# Altium PCB MJVESC_MINI4.PcbDoc (part 1 of 2) (continued)
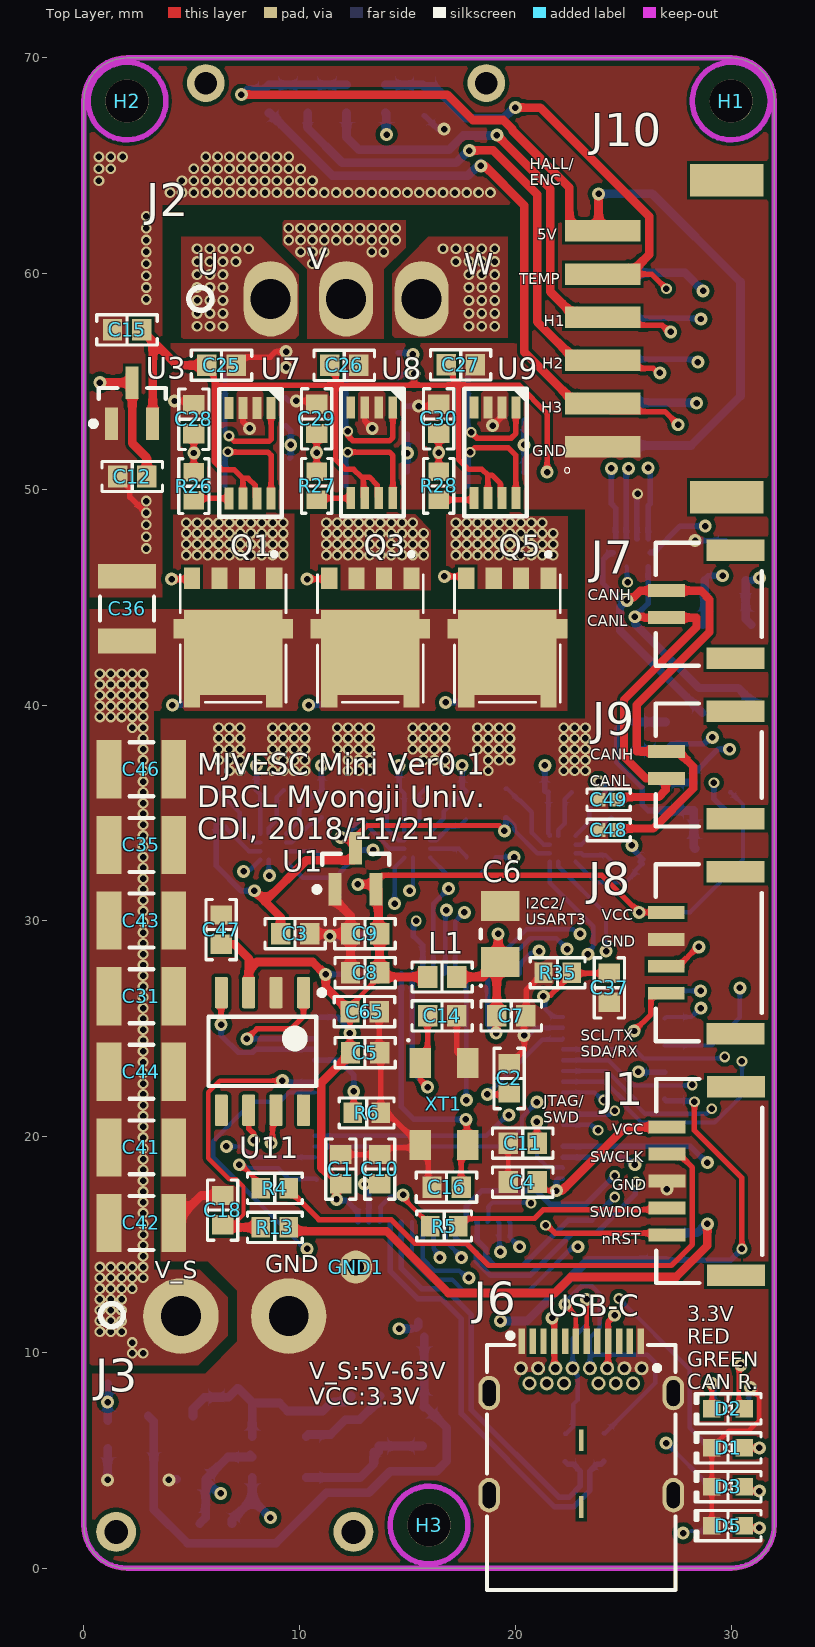
[diagram p0: Top Layer view]
## Footprints (in the part's own frame and the unit in brackets; to place one, negate y for a bottom-side part, rotate by r counter-clockwise, add the part's x,y. Pads: shape width x height; smd on the part's side, far side on the other; paste and mask are expansions set on the pad)
74438335220 [mm] "3015 size"
  rect 1.2x3.4 smd: 1(-1.1,0) 2(1.1,0)
  silkscreen extent -0.4,-1.8 0.4,1.8, body extent -1.5,-1.5 1.5,1.5, height 1.5
632723300011 [mm]
  rect 0.3x1.2 smd: A1(-2.75,5.635) A2(-2.25,5.635) A3(-1.75,5.635) A4(-1.25,5.635) A5(-0.75,5.635) A6(-0.25,5.635) A7(0.25,5.635) A8(0.75,5.635) A9(1.25,5.635) A10(1.75,5.635) A11(2.25,5.635) A12(2.75,5.635)
  round 0.65 hole 0.4: B1(2.8,4.385) B2(2.4,3.685) B3(1.6,3.685) B4(1.2,4.385) B5(0.8,3.685) B6(0.4,4.385) B7(-0.4,4.385) B8(-0.8,3.685) B9(-1.2,4.385) B10(-1.6,3.685) B11(-2.4,3.685) B12(-2.8,4.385) Shell(-2,4.385) Shell(2,4.385)
  oval 1x1.6 hole 0.6 slot 1.2 at 90 deg: Shell(-4.27,-1.495) Shell(-4.27,3.235) Shell(4.27,-1.495) Shell(4.27,3.235)
  rect 0.2x1 smd: ""(0,-2.045) ""(0,1.055)
  silkscreen extent -4.37,-5.89 4.37,6.01, body extent -4.37,-5.9 4.37,5.9, height 3.05
BGA12C40P4X4_173X188X68-LMG1205 [mm] "BGA, 12-Leads, Body 1,73x1,88mmx0,68mm, Pitch 0,40mm"
  round 0.24 smd: A1(-0.6,0.6) A2(-0.2,0.6) A3(0.2,0.6) A4(0.6,0.6) B1(-0.6,0.2) B4(0.6,0.2) C1(-0.6,-0.2) C4(0.6,-0.2) D1(-0.6,-0.6) D2(-0.2,-0.6) D3(0.2,-0.6) D4(0.6,-0.6)
  silkscreen extent -1.5,-1.1 1,1.5, body extent -0.86,-0.94 0.86,0.94, height 0.65
"CAP 0402/1005" [mm]
  rect 0.6x0.64 smd: 1(-0.44,0) 2(0.44,0)
  silkscreen extent -1,-0.5 1,0.5, body extent -0.5,-0.26 0.5,0.26, height 0.52
"CAP 0603/1608" [mm]
  rect 0.9x1 smd: 1(-0.675,0) 2(0.675,0)
  silkscreen extent -1.4,-0.7 1.4,0.7, body extent -0.8,-0.41 0.8,0.41, height 0.82
CAPC1206(3216)190_M [mm]
  rect 1.35x1.9 smd: 1(-1.6,0) 2(1.6,0)
  silkscreen extent -0.55,-0.85 0.55,0.85, body extent -1.7,-0.9 1.7,0.9, height 1.9
CAPC1210(3225)280_N [mm] "Chip Capacitor, Body 3.2x2.5mm, Height 2.8mm, IPC Medium Density"
  rect 1.15x2.7 smd: 1(-1.5,0) 2(1.5,0)
  silkscreen extent -0.55,-1.25 0.55,1.25, body extent -1.7,-1.4 1.7,1.4, height 2.8
CAPMP3217X18-T_V [mm] "Molded Capacitor, 2-Leads, Body 3.40x1.8mm"
  rect 1.4x1.8 smd: 1(-1.3,0) 2(1.3,0)
  silkscreen extent -2.45,-0.9 0.2,0.95, body extent -1.92,-0.9 1.92,0.9, height 1.8
CSS2H-2512K-2L00F [mm] "2mOhm"
  rect 1.8x1.25 smd: 1(-2.6,-1.05) 1(-2.6,1.05) 2(2.6,-1.05) 2(2.6,1.05)
  rect 1.8x0.35 smd: 3(-2.6,0) 4(2.6,0)
  body extent -3.56,-1.55 3.17,1.5, height 1.06
D0008A_N [mm]
  rrect17% 1.45x0.6 smd: 1(-2.725,1.905) 2(-2.725,0.635) 3(-2.725,-0.635) 4(-2.725,-1.905) 5(2.725,-1.905) 6(2.725,-0.635) 7(2.725,0.635) 8(2.725,1.905)
  silkscreen extent -2.85,-2.5 1.6,2.88, body extent -3,-2.45 3,2.45, height 1.63
DFN220P320X110-4N [mm]
  rect 1.4x1 smd: 1(-1.9,-1.1) 3(1.9,1.1) G(-1.9,1.1) G(1.9,-1.1)
  silkscreen extent -3,-1.7 -2.9,-1.6, body extent -2.55,-1.65 2.55,1.65, height 1.1
DFN500X600X110-5N [mm]
  rect 0.75x1 smd: 1(-1.905,-2.795) 2(-0.635,-2.795) 3(0.635,-2.795) 4(1.905,-2.795)
  rect 4.56x3.955 smd: 5_6(0,0.647)
  rect 0.495x0.905 smd: 5_6_1(-2.528,-0.453) 5_6_2(2.528,-0.453)
  rect 0.75x0.575 smd: 5_6_3(1.905,2.913) 5_6_4(-1.905,2.913)
  silkscreen extent -2.45,-4 2.45,2.95, body extent -2.56,-3.1 2.59,3.05, height 1.13
"FER 0603/1608" [mm]
  rect 0.9x1 smd: 1(-0.675,0) 2(0.675,0)
  silkscreen extent -1.4,-0.7 1.4,0.7, body extent -0.8,-0.41 0.8,0.41, height 0.82
"JST SM02B-GHS-TB" [mm]
  rect 0.6x1.7 smd: 1(-0.625,-1.875) 2(0.625,-1.875)
  rect 1x2.7 smd: M(-2.5,1.325) M(2.5,1.325)
  silkscreen extent -2.85,-2.38 2.85,2.54, body extent -2.87,-2.31 2.87,2.54, height 4.35
"JST SM03B-GHS-TB" [mm] "1.25mm pitch/Disconnectable Crimp style connectors"
  rect 0.6x1.7 smd: 1(-1.25,-1.875) 2(0,-1.875) 3(1.25,-1.875)
  rect 1x2.7 smd: M(-3.125,1.325) M(3.125,1.325)
  silkscreen extent -3.47,-2.37 3.47,2.54, body extent -3.5,-2.31 3.5,2.54, height 4.35
"JST SM04B-GHS-TB" [mm]
  rect 0.6x1.7 smd: 1(-1.875,-1.875) 2(-0.625,-1.875) 3(0.625,-1.875) 4(1.875,-1.875)
  rect 1x2.7 smd: M(-3.75,1.325) M(3.75,1.325)
  silkscreen extent -4.1,-2.38 4.1,2.54, body extent -4.12,-2.31 4.13,2.54, height 4.35
"JST SM05B-GHS-TB" [mm]
  rect 0.6x1.7 smd: 1(-2.5,-1.875) 2(-1.25,-1.875) 3(0,-1.875) 4(1.25,-1.875) 5(2.5,-1.875)
  rect 1x2.7 smd: M(-4.375,1.325) M(4.375,1.325)
  silkscreen extent -4.72,-2.37 4.72,2.54, body extent -4.75,-2.31 4.75,2.54, height 4.35
"JST SM06B-GHS-TB" [mm] "1.25mm pitch/Disconnectable Crimp style connectors"
  rect 0.6x1.7 smd: 1(-3.125,-1.875) 2(-1.875,-1.875) 3(-0.625,-1.875) 4(0.625,-1.875) 5(1.875,-1.875) 6(3.125,-1.875)
  rect 1x2.7 smd: M(-5,1.325) M(5,1.325)
  silkscreen extent -5.35,-2.37 5.35,2.54, body extent -5.37,-2.31 5.38,2.54, height 4.35
JST_S6B-PH-SM4-TB [mm]
  rect 1x3.5 smd: 1(5,0) 2(3,0) 3(1,0) 4(-1,0) 5(-3,0) 6(-5,0)
  rect 1.5x3.4 smd: ""(-7.35,5.75) ""(7.35,5.75)
  silkscreen extent 5.97,-1.78 6.22,-1.52, body extent -7.95,-1.35 7.95,7.25, height 4.8
"LED 0603/1608 BLUE" [mm]
  rect 0.8x0.8 smd: 1(-0.75,0) 2(0.75,0)
  silkscreen extent -1.52,-0.7 1.52,0.7, body extent -0.8,-0.4 0.8,0.4, height 0.53
"LED 0603/1608 GREEN" [mm]
  rect 0.8x0.8 smd: 1(-0.75,0) 2(0.75,0)
  silkscreen extent -1.52,-0.7 1.52,0.7, body extent -0.8,-0.4 0.8,0.4, height 0.53
"LED 0603/1608 RED" [mm]
  rect 0.8x0.8 smd: 1(-0.75,0) 2(0.75,0)
  silkscreen extent -1.52,-0.7 1.52,0.7, body extent -0.8,-0.4 0.8,0.4, height 0.53
M2-HOLE [mm] "M2-HOLE"
  round 2 hole 2: 0(0,0)
  Keep-Out Layer circle w0.254: c0,0 r1.8
MR30PW [mm]
  oval 2.5x3.5 hole 1.85: 1(0,0) 2(3.5,0) 3(7,0)
  round 1.75 hole 1.05: ""(-3,10) ""(10,10)
  silkscreen extent -3.79,-0.54 -2.72,0.54, body extent -4.5,-0.91 11.51,13.57, height 4.91
MSOP-8L [mm] "MSOP-8L, 8-Leads, Body 5x3mm, Pitch 0.5mm"
  rect 1.016x0.406 smd: 1(-2.1,0.975) 2(-2.1,0.325) 3(-2.1,-0.325) 4(-2.1,-0.975) 5(2.1,-0.975) 6(2.1,-0.325) 7(2.1,0.325) 8(2.1,0.975)
  silkscreen extent -3.86,-1.43 2.95,1.55, body extent -2.45,-1.5 2.45,1.5, height 0.94
"RES 0402/1005" [mm]
  rect 0.75x0.6 smd: 1(-0.575,0) 2(0.575,0)
  silkscreen extent -1.14,-0.51 1.14,0.51, body extent -0.5,-0.25 0.5,0.25, height 0.35
"RES 0603/1608" [mm]
  rect 0.85x0.95 smd: 1(-0.65,0) 2(0.65,0)
  silkscreen extent -1.27,-0.7 1.27,0.7, body extent -0.8,-0.4 0.8,0.4, height 0.45
RESC0603(1608)_M [mm] "Chip Resistor, Body 1.6x0.8mm, IPC Low Density"
  rect 1.1x1.1 smd: 1(-0.9,0) 2(0.9,0)
  silkscreen extent -0.05,-0.45 0.05,0.45, body extent -0.85,-0.47 0.85,0.47, height 0.6
RESC1608X55X25ML10T15 [mm] "Chip Resistor, 2-Leads, Body 1.60x0.80mm, IPC Low Density"
  rect 0.8x1 smd: 1(-0.75,0) 2(0.75,0)
  body extent -0.85,-0.45 0.85,0.45, height 0.55
RSE10 [mm]
  rect 0.58x0.3 smd paste-0.025 mask+0.05: 1(-0.64,0.75) 2(-0.64,0.25) 3(-0.64,-0.25) 4(-0.64,-0.75) 6(0.64,-0.75) 7(0.64,-0.25) 8(0.64,0.25) 9(0.64,0.75)
  rect 0.35x0.63 smd paste-0.025 mask+0.05: 5(0,-0.86) 10(0,0.86)
  silkscreen extent -1.22,-1.18 0.78,1.22, body extent -0.77,-1.02 0.78,1.03, height 0.6
SOD123W [mm] "SOD123W"
  rect 1.3x1.3 smd: 1(-1.55,0) 2(1.55,0)
  silkscreen extent -2.29,0.89 -2.19,0.99, body extent -2,-0.95 2,0.95, height 1.1
SOT23-3L [mm]
  rect 1.2x0.6 smd: 1(-0.9,0.95) 2(-0.9,-0.95) 3(0.9,0)
  silkscreen extent -1.02,-1.5 0.7,1.93, body extent -0.7,-1.5 0.7,1.5, height 1.1
SOT95P280X110-6N [mm]
  rect 1.25x0.59 smd: 1(-1.255,0.95) 2(-1.255,0) 3(-1.255,-0.95) 4(1.255,-0.95) 5(1.255,0) 6(1.255,0.95)
  silkscreen extent -2.22,-1.53 0.88,1.53
SOT-23-TT3_N [mm] "SOT23, 3-Leads, Body 2.9x1.3mm, Pitch 0.95mm, Lead Span 2.4mm, IPC Medium Density"
  rect 1.5x0.6 smd: 1(-0.95,0.95) 2(-0.95,-0.95) 3(0.95,0)
  silkscreen extent -1.07,-1.55 0.7,1.92, body extent -0.7,-1.52 0.7,1.53, height 1.12
SRF4532-101Y [mm]
  rect 1.25x1 smd: 1(-2.05,-1.125) 2(2.05,-1.125) 3(2.05,1.125) 4(-2.05,1.125)
  silkscreen extent -3.05,-1.73 -2.95,-1.63, body extent -2.35,-1.7 2.35,1.7, height 2.8
SSAJ120100 [mm]
  rect 0.6x0.51 smd: 1(-1.355,-1) 2(-1.355,1) C(-1.355,0)
  rect 0.7x0.9 smd: ""(0,-2.775) ""(0,2.775)
  silkscreen extent -1.78,-2.29 0.38,2.29, body extent -1.14,-2.29 1.27,2.29, height 0.6
STM-LQFP64_V [mm] "Thin QFP, 64-Leads, Body 10x10mm, Pitch 0.5mm, ST Recommended"
  rect 1.2x0.3 smd: 1(-5.75,3.75) 2(-5.75,3.25) 3(-5.75,2.75) 4(-5.75,2.25) 5(-5.75,1.75) 6(-5.75,1.25) 7(-5.75,0.75) 8(-5.75,0.25) 9(-5.75,-0.25) 10(-5.75,-0.75) 11(-5.75,-1.25) 12(-5.75,-1.75) 13(-5.75,-2.25) 14(-5.75,-2.75) 15(-5.75,-3.25) 16(-5.75,-3.75) 33(5.75,-3.75) 34(5.75,-3.25) 35(5.75,-2.75) 36(5.75,-2.25) 37(5.75,-1.75) 38(5.75,-1.25) 39(5.75,-0.75) 40(5.75,-0.25) 41(5.75,0.25) 42(5.75,0.75) 43(5.75,1.25) 44(5.75,1.75) 45(5.75,2.25) 46(5.75,2.75) 47(5.75,3.25) 48(5.75,3.75)
  rect 0.3x1.2 smd: 17(-3.75,-5.75) 18(-3.25,-5.75) 19(-2.75,-5.75) 20(-2.25,-5.75) 21(-1.75,-5.75) 22(-1.25,-5.75) 23(-0.75,-5.75) 24(-0.25,-5.75) 25(0.25,-5.75) 26(0.75,-5.75) 27(1.25,-5.75) 28(1.75,-5.75) 29(2.25,-5.75) 30(2.75,-5.75) 31(3.25,-5.75) 32(3.75,-5.75) 49(3.75,5.75) 50(3.25,5.75) 51(2.75,5.75) 52(2.25,5.75) 53(1.75,5.75) 54(1.25,5.75) 55(0.75,5.75) 56(0.25,5.75) 57(-0.25,5.75) 58(-0.75,5.75) 59(-1.25,5.75) 60(-1.75,5.75) 61(-2.25,5.75) 62(-2.75,5.75) 63(-3.25,5.75) 64(-3.75,5.75)
  silkscreen extent -5.87,-4.75 4.75,4.75, body extent -5,-5 5,5, height 1.6
TestPin [mil]
  round 60 hole 30: 1(0,0)
XT30PW [mm]
  round 3.5 hole 1.85: 1(0,0) 2(5,0)
  round 1.85 hole 1.1: ""(-3,-10) ""(8,-10)
  silkscreen extent -3.73,-0.48 -2.66,0.59, body extent -4.21,-14.03 9.09,0.97, height 5

## Part data
C1 C2 C4 C5 C7 C13 C17 C22 C23 C24 C65: library part GRM188R71E104KA01D, "CAP CER 0.1UF 25V X7R 0603", Capacitance=0.10レF, Manufacturer="Murata Electronics North America", Operating Temperature="-55∑C ~ 125?", Package / Case="0603 (1608 Metric)", Ratings=-, Supplier Part Number 1=490-1524-1-ND, Temperature Coefficient=X7R, Tolerance=【10%, Voltage - Rated=25V, Applications="General Purpose", Category=Capacitors, ComponentLink1Description=http://www.murata.com/~/media/webrenewal/support/library/catalog/products/capacitor/mlcc/c02e.pdf, ComponentLink1URL=http://www.murata.com/~/media/webrenewal/support/library/catalog/products/capacitor/mlcc/c02e.pdf, Features=-, Height - Seated (Max)=-, Lead Spacing=-, Lead Style=-, Manufacturer Part Number=GRM188R71E104KA01D, Mounting Type="Surface Mount, MLCC", Packaging="Cut Tape (CT)", Partnumber=GRM188R71E104KA01D, Pricing 1="1=0.1, 10=0.019, 50=0.0104, 100=0.0088, 250=0.0072, 500=0.00616, 1000=0.0048 (USD)", RoHS="RoHS Compliant", Size / Dimension="0.063\" L x 0.031\" W (1.60mm x 0.80mm)", Stock 1=1667481, Supplier 1=Digi-Key, Thickness (Max)="0.035\" (0.90mm)"
C3 C8 C9 C10 C11 C12 C15 C19 C20 C21 C25 C26 C27 C37 C38 C47: library part GRM188R61C225KE15D, "CAP CER 2.2UF 16V X5R 0603", Capacitance=2.2レF, Manufacturer="Murata Electronics North America", Operating Temperature="-55∑C ~ 85?", Package / Case="0603 (1608 Metric)", Ratings=-, Supplier Part Number 1=490-3296-1-ND, Temperature Coefficient=X5R, Tolerance=【10%, Voltage - Rated=16V, Applications="General Purpose", Category=Capacitors, ComponentLink1Description=http://www.murata.com/~/media/webrenewal/support/library/catalog/products/capacitor/mlcc/c02e.pdf, ComponentLink1URL=http://www.murata.com/~/media/webrenewal/support/library/catalog/products/capacitor/mlcc/c02e.pdf, Features=-, Height - Seated (Max)=-, Lead Spacing=-, Lead Style=-, Manufacturer Part Number=GRM188R61C225KE15D, Mounting Type="Surface Mount, MLCC", Packaging="Cut Tape (CT)", Partnumber=GRM188R61C225KE15D, Pricing 1="1=0.12, 10=0.08, 50=0.046, 100=0.038, 250=0.032, 500=0.0268, 1000=0.022 (USD)", RoHS="RoHS Compliant", Size / Dimension="0.063\" L x 0.031\" W (1.60mm x 0.80mm)", Stock 1=1255740, Supplier 1=Digi-Key, Thickness (Max)="0.035\" (0.90mm)"
C6: library part CMP-1661-00003-1, "Standard Tantalum, 1 uF, +/- 10%, 35 V, -55 to 125 degC, 2-Pin SMD (1206), RoHS, Tape and Reel", Current Rating="200 mA", Max Operating Temperature="70 degC", Min Operating Temperature="-20 degC", Package Quantity=1000, Partnumber=TAJA105K016RNJ, Voltage Rating (DC)="30 V", ComponentLink1Description="Manufacturer URL", ComponentLink1URL=http://www.avx.com/, ComponentLink2Description=Datasheet, ComponentLink2URL=http://datasheets.avx.com/TAJ.pdf, ComponentLink3Description="Package Specification", ComponentLink3URL=http://www.avx.com/download/software/literature/AVX-Footprint-Library.pdf, Contact Finish=Silver, Contact Material=Copper, Contact Plating=Silver, DatasheetVersion=Feb-16, Height="7.4 mm", Length="11.6 mm", Mount="Through Hole", PackageDescription="2-Pin Surface Mount Device, Body 3.2 x 1.65 mm", PackageReference=CAPMP3217X18-T, Packaging=Bulk, Pins=3, REACH SVHC="No SVHC", RoHSCompliant=true, Width="4 mm"
C14 C16: library part GRM1885C1H100JA01D, "CAP CER 10PF 50V NP0 0603", Manufacturer="Murata Electronics North America", Operating Temperature="-55∑C ~ 125?", Package / Case="0603 (1608 Metric)", Ratings=-, Supplier Part Number 1=490-1403-1-ND, Temperature Coefficient="C0G, NP0", Tolerance=【5%, Voltage - Rated=50V, Applications="General Purpose", Capacitance=10pF, Category=Capacitors, ComponentLink1Description=http://www.murata.com/~/media/webrenewal/support/library/catalog/products/capacitor/mlcc/c02e.pdf, ComponentLink1URL=http://www.murata.com/~/media/webrenewal/support/library/catalog/products/capacitor/mlcc/c02e.pdf, Features=-, Height - Seated (Max)=-, Lead Spacing=-, Lead Style=-, Manufacturer Part Number=GRM1885C1H100JA01D, Mounting Type="Surface Mount, MLCC", Packaging="Cut Tape (CT)", Partnumber=GRM1885C1H100JA01D, Pricing 1="1=0.1, 10=0.041, 50=0.0222, 100=0.0187, 250=0.01532, 500=0.0131, 1000=0.0102 (USD)", RoHS="RoHS Compliant", Size / Dimension="0.063\" L x 0.031\" W (1.60mm x 0.80mm)", Stock 1=450321, Supplier 1=Digi-Key, Thickness (Max)="0.035\" (0.90mm)"
C18: library part GRM188R71E104KA01D, "CAP CER 0.1UF 25V X7R 0603", Partnumber=GRM188R71E104KA01D
C28 C29 C30 C50: library part GRM1885C1H222JA01D, "CAP CER 4.7nF 50V NP0 0603", Partnumber=GRM1887U1H472JA01D
C31 C33 C34 C35 C36 C39 C40 C41 C42 C43 C44 C46 C51 C52 C53 C54: library part CMP-1038-02106-1, "100Vdc 10uF 10% 1210/2502", Case-EIA=1210, Case-Metric=3225, Partnumber=GRM32EC72A106KE05L, Rated Voltage="100 V", Tolerance=A【20%, Max Thickness="2.8 mm", Technology=SMT
C32: library part GRM188R71E104KA01D, "CAP CER 220nF 50V X7R 0603", Partnumber=GRM188R71H224KAC4J
C45: "Multilayer Ceramic Capacitors MLCC - SMD/SMT 16V 10uF 10% 1.60mm X8L AEC-Q200", Partnumber=CGA5L1X8L1C106K160AC
C48 C49: library part GRM1885C1H222JA01D, "CAP CER 100pF 50V NP0 0402", Partnumber=GRM1555C1H101GA01D
D1 D5: library part LED0, "Typical INFRARED GaAs LED", Partnumber=LTST-C191KRKT, LatestRevisionDate=08-Jul-2005, LatestRevisionNote="Mech Layer 1 removed.", PackageDescription="LED; 2 Leads", PackageReference=LED-0, Published=8-Jun-2000, Publisher="Altium Limited"
D2: library part LED0, "Typical INFRARED GaAs LED", Partnumber=LTST-C191TBKT, LatestRevisionDate=08-Jul-2005, LatestRevisionNote="Mech Layer 1 removed.", PackageDescription="LED; 2 Leads", PackageReference=LED-0, Published=8-Jun-2000, Publisher="Altium Limited"
D3: library part LED0, "Typical INFRARED GaAs LED", Partnumber=LTST-C191KGKT, LatestRevisionDate=08-Jul-2005, LatestRevisionNote="Mech Layer 1 removed.", PackageDescription="LED; 2 Leads", PackageReference=LED-0, Published=8-Jun-2000, Publisher="Altium Limited"
D4: "60 V, 2 A low leakage current Schottky barrier rectifier", Partnumber=PMEG6020AELR
D6: library part ESD8V0L2B-03L, "Bi-directional Low Capacitance TVS Diode, -55 to 125 degC, TSLP-3-1, Reel, Green", Partnumber=VCAN26A2-03S-E3-08
GND1: "SMD test pin"
H1 H2 H3: "M2, M2.5, M3 Hole"
J1: library part "JST GH 5pin", "JST GH Connector, 5Pin", Partnumber=SM05B-GHS-TB(LF)(SN), LatestRevisionDate=17-Jul-2002, LatestRevisionNote="Re-released for DXP Platform.", Publisher="Altium Limited"
J2: library part MR30PW-M, "AMASS, MR30,  on PCBs, 30A 500V, UL94V, -20...120∑C", LatestRevisionDate=17-Jul-2002, LatestRevisionNote="Re-released for DXP Platform.", Parameter 1=XT30PW-M, Publisher="Altium Limited"
J3: library part XT30PW-M, "AMASS, XT30,  on PCBs, 30A 500V, UL94V, -20...120∑C", LatestRevisionDate=17-Jul-2002, LatestRevisionNote="Re-released for DXP Platform.", Parameter 1=XT30PW-M, Publisher="Altium Limited"
J4 J10: library part S6B-PH-SM4-TB, "JST PH Connector, 6Pin", Package=None, Availability=Unavailable, MF=JST, MP=S6B-PH-SM4-TB, Partnumber=S6B-PH-SM4-TB, Price="0.35 USD"
J5: library part "JST SM06B-GH", "JST GH Connector, 6Pin", Partnumber=SM04B-GHS-TB(LF)(SN)-, LatestRevisionDate=17-Jul-2002, LatestRevisionNote="Re-released for DXP Platform.", Publisher="Altium Limited"
J6: library part 632723300011, "USB 3.1 Type C Receptacle Horizontal THR WR-COM", ComponentLink1Description=Manufacturer, ComponentLink1URL=http://www.we-online.de, ComponentLink2Description=Datasheet, ComponentLink2URL=http://katalog.we-online.de/em/datasheet/632723x00011.pdf, Construction=THR, Gender=Receptacle, Interface Type="Type C", Partnumber=632723300011, Published Date="April 2017", Publisher="Wurth Elektronik", Sub-Family="USB 3.1", Type=Horizontal
J7 J9: library part MHDR1X2, "JST GH Connector, 2Pin", Partnumber=SM02B-GHS-TB(LF)(SN), LatestRevisionDate=17-Jul-2002, LatestRevisionNote="Re-released for DXP Platform.", Publisher="Altium Limited"
J8: library part MHDR1X4, "JST GH Connector, 4Pin", Partnumber=SM04B-GHS-TB(LF)(SN), LatestRevisionDate=17-Jul-2002, LatestRevisionNote="Re-released for DXP Platform.", Publisher="Altium Limited"
J11: library part "JST SM03B-GH", "JST GH Connector, 3Pin", Partnumber=BM03B-GHS-TB(LF)(SN)
L1: library part Inductor, "Ferrite Beads 600MHz 0.015Ohm 25% 1608 AEC-Q200", Partnumber=KPZ1608SHR601ATD25, Code_IEC=1005, Code_JEITA=0402, LatestRevisionDate=29-May-2009, LatestRevisionNote="IPC-7351 Footprint Added.", PackageDescription="Chip Inductor", PackageReference=0402-A, Published=8-Jun-2000, Publisher="Altium Limited"
L2: library part 74438335220, "Fixed Inductors WE-MAPI SMD 3015 22uH 0.60A 1040mOhm", Partnumber=74438335220
Q1 Q2 Q3 Q4 Q5 Q6: "Power MOSFET / 60 V, 1.2 m, 287 A, Single N?Channel", Manufacturer="International Rectifier", Power Dissipation @ TC="25C (W)=380", Circuit=Discrete, ComponentLink1Description="Manufacturer URL", ComponentLink1URL=http://www.irf.com/, ComponentLink2Description=Datasheet, ComponentLink2URL=http://www.irf.com/product-info/datasheets/data/irls3036-7ppbf.pdf, ComponentLink3Description="Package Specification", ComponentLink3URL=http://ec.irf.com/v6/en/US/adirect/ir?cmd=catSearchFrame&domSendTo=byID&domProductQueryName=IRLS3036-7PPbF, DatasheetVersion=Oct-10, ID @ TC="100C (A)=210", Mounting Technology="Surface Mount", PackageDescription="7-Pin Long Leads Package Outline, Body 10.16 x 9.015 mm, Pitch 1.27 mm", PackageReference=D2PAK-7, Packing=Tube, Partnumber=NTMFS5C604NLT1G, Qgd Typ (nC)=53.0, Qg Typ (nC)=110.0, RDS(on) Max 4.5V (mOhms)=2.2, RDS(on) Max 10V (mOhms)=1.9, Rth(JC) (C/W)=0.40, Tj Max=175, VGs Max(V)=16
R1 R2: library part Res3, "RES SMD 220R OHM 1% 1/10W 0603", Partnumber=RC0603FR-10220RL, LatestRevisionDate=29-May-2009, LatestRevisionNote="IPC-7351 Footprint Added.", PackageDescription="Chip Resistor", PackageReference=J1-0603, Published=8-Jun-2000, Publisher="Altium Limited"
R3 R39: library part RC0603FR-071KL, "RES SMD 1K OHM 1% 1/10W 0603", Manufacturer=Yageo, Operating Temperature="-55∑C ~ 155?", Package / Case="0603 (1608 Metric)", Power (Watts)="0.1W, 1/10W", Supplier Device Package=0603, Supplier Part Number 1=311-1.00KHRCT-ND, Temperature Coefficient=【100ppm/?, Tolerance=【1%, Category=Resistors, ComponentLink1Description=http://www.yageo.com/documents/recent/PYu-RC_Group_51_RoHS_L_04.pdf, ComponentLink1URL=http://www.yageo.com/documents/recent/PYu-RC_Group_51_RoHS_L_04.pdf, Composition="Thick Film", Features="Moisture Resistant", Height="0.022\" (0.55mm)", Manufacturer Part Number=RC0603FR-071KL, Number of Terminations=2, Packaging="Cut Tape (CT)", Partnumber=RC0603FR-071KL, Pricing 1="1=0.1, 10=0.014, 25=0.01, 100=0.0057, 250=0.00436, 500=0.00348, 1000=0.00257, 2500=0.00223 (USD)", Resistance (Ohms)=1k, RoHS="RoHS Compliant", Size / Dimension="0.063\" L x 0.031\" W (1.60mm x 0.80mm)", Stock 1=6734836, Supplier 1=Digi-Key
R4 R5 R11 R12: library part RC0603FR-0722RL, "RES SMD 22 OHM 1% 1/10W 0603", Manufacturer=Yageo, Operating Temperature="-55∑C ~ 155?", Package / Case="0603 (1608 Metric)", Power (Watts)="0.1W, 1/10W", Resistance (Ohms)=22, Supplier Device Package=0603, Supplier Part Number 1=311-22.0HRCT-ND, Temperature Coefficient=【100ppm/?, Tolerance=【1%, Category=Resistors, ComponentLink1Description=http://www.yageo.com/documents/recent/PYu-RC_Group_51_RoHS_L_04.pdf, ComponentLink1URL=http://www.yageo.com/documents/recent/PYu-RC_Group_51_RoHS_L_04.pdf, Composition="Thick Film", Features="Moisture Resistant", Height="0.022\" (0.55mm)", Manufacturer Part Number=RC0603FR-0722RL, Number of Terminations=2, Packaging="Cut Tape (CT)", Partnumber=RC0603FR-0722RL, Pricing 1="1=0.1, 10=0.014, 25=0.01, 100=0.0057, 250=0.00436, 500=0.00348, 1000=0.00257, 2500=0.00223 (USD)", RoHS="RoHS Compliant", Size / Dimension="0.063\" L x 0.031\" W (1.60mm x 0.80mm)", Stock 1=575303, Supplier 1=Digi-Key
R6: library part RC0603FR-0747KL, "RES SMD 47K OHM 1% 1/10W 0603", Manufacturer=Yageo, Operating Temperature="-55∑C ~ 155?", Package / Case="0603 (1608 Metric)", Power (Watts)="0.1W, 1/10W", Resistance (Ohms)=47k, Supplier Device Package=0603, Supplier Part Number 1=311-47.0KHRCT-ND, Temperature Coefficient=【100ppm/?, Tolerance=【1%, Category=Resistors, ComponentLink1Description=http://www.yageo.com/documents/recent/PYu-RC_Group_51_RoHS_L_04.pdf, ComponentLink1URL=http://www.yageo.com/documents/recent/PYu-RC_Group_51_RoHS_L_04.pdf, Composition="Thick Film", Features="Moisture Resistant", Height="0.022\" (0.55mm)", Manufacturer Part Number=RC0603FR-0747KL, Number of Terminations=2, Packaging="Cut Tape (CT)", Partnumber=RC0603FR-0747KL, Pricing 1="1=0.1, 10=0.014, 25=0.01, 100=0.0057, 250=0.00436, 500=0.00348, 1000=0.00257, 2500=0.00223 (USD)", RoHS="RoHS Compliant", Size / Dimension="0.063\" L x 0.031\" W (1.60mm x 0.80mm)", Stock 1=930868, Supplier 1=Digi-Key
R7 R8 R9 R15 R17 R19 R33: library part Res3, "RES SMD 2.2K OHM 1% 1/10W 0603", Partnumber=RC0603FR-072K2L, LatestRevisionDate=29-May-2009, LatestRevisionNote="IPC-7351 Footprint Added.", PackageDescription="Chip Resistor", PackageReference=J1-0603, Published=8-Jun-2000, Publisher="Altium Limited"
R10 R35 R38: library part RC0603FR-0710KL, "RES SMD 10K OHM 1% 1/10W 0603", Manufacturer=Yageo, Operating Temperature="-55∑C ~ 155?", Package / Case="0603 (1608 Metric)", Power (Watts)="0.1W, 1/10W", Resistance (Ohms)=10k, Supplier Device Package=0603, Supplier Part Number 1=311-10.0KHRCT-ND, Temperature Coefficient=【100ppm/?, Tolerance=【1%, Category=Resistors, ComponentLink1Description=http://www.yageo.com/documents/recent/PYu-RC_Group_51_RoHS_L_04.pdf, ComponentLink1URL=http://www.yageo.com/documents/recent/PYu-RC_Group_51_RoHS_L_04.pdf, Composition="Thick Film", Features="Moisture Resistant", Height="0.022\" (0.55mm)", Manufacturer Part Number=RC0603FR-0710KL, Number of Terminations=2, Packaging="Cut Tape (CT)", Partnumber=RC0603FR-0710KL, Pricing 1="1=0.1, 10=0.014, 25=0.01, 100=0.0057, 250=0.00436, 500=0.00348, 1000=0.00257, 2500=0.00223 (USD)", RoHS="RoHS Compliant", Size / Dimension="0.063\" L x 0.031\" W (1.60mm x 0.80mm)", Stock 1=13504930, Supplier 1=Digi-Key
R13 R26 R27 R28: library part RC0603FR-07120RL, "RES SMD 100R OHM 1% 1/10W 0603", Partnumber=RC0603JR-07100RL
R14 R16 R18 R32: library part Res3, "RES SMD 39K OHM 1% 1/10W 0603", Partnumber=RC0603FR-0739KL, LatestRevisionDate=29-May-2009, LatestRevisionNote="IPC-7351 Footprint Added.", PackageDescription="Chip Resistor", PackageReference=J1-0603, Published=8-Jun-2000, Publisher="Altium Limited"
R20 R21 R22 R23 R24 R25: library part RC0603FR-072RL, "2R 0.1W 1% 0603 (1608 Metric)  SMD", Partnumber=RC0603FR-072RL
R29 R30 R31: library part CSS2H-2512K-2L00F, "Current Sense Resistors - SMD 2mOhms 5W 1% AEC-Q200", Partnumber=CSS2H-2512K-2L00F
R34: library part CMP-2100-03662-1, "Chip Resistor, 100 KOhm, +/- 1%, 0.1 W, -55 to 155 degC, 0603 (1608 Metric), RoHS, Tape and Reel", Case/Package=0603, Case Code (Metric)=1608, Manufacturer=Yageo, Max Operating Temperature=155degC, Min Operating Temperature=-55degC, Package Description="2-Pin Surface Mount Device, Body 1.6 x 0.8 mm", Partnumber=RC0603FR-07100KL, Power Rating=100mW, Resistance=100KOhm, Temperature Coefficient=100ppm/degreesC, Tolerance=1%, Voltage Rating=50V, Case Code (Imperial)=0603, Composition=ThickFilm, Datasheet URL=http://www.yageo.com/NewPortal/yageodocoutput?fileName=/pdf/R-Chip/PYu-RC_Group_51_RoHS_L_5.pdf, Datasheet Version="Rev. 5, 10/2016", Depth=0.8mm, Height=0.45mm, Lead Free=LeadFree, Length=1.6mm, Manufacturer URL=http://www.yageo.com/, Military Standard=Not, Number of Pins=2, Package Reference=0603, Packaging=TapeandReel, REACH SVHC=NoSVHC, RoHSCompliant=true, Termination=SMD/SMT, Voltage Rating (DC)=50V, Width=0.8mm
R36: library part NCP15XH103F03RC, "THERMISTOR 10K OHM NTC 0402 SMD", Partnumber=NCP15XH103F03RC
R37: library part CMP-1012-00707-1, "54K9 0.1W 1% 0603 (1608 Metric)  SMD", Case-EIA=0603, Case-Metric=1608, Partnumber=RC0603FR-0754K9L, Power="0.1 W", Tolerance="1 %", Technology=SMT
R40 R41 R42 R43: library part Res3, "RES SMD 120R OHM 1% 1/10W 0603", Partnumber=RC0603FR-07120RL, LatestRevisionDate=29-May-2009, LatestRevisionNote="IPC-7351 Footprint Added.", PackageDescription="Chip Resistor", PackageReference=J1-0603, Published=8-Jun-2000, Publisher="Altium Limited"
S1: library part SW-SPDT, "SPDT Subminiature Toggle Switch, Right Angle Mounting, Vertical Actuation", ComponentLink1Description="Manufacturer Link", ComponentLink1URL=http://www.apem.com, DatasheetVersion=05-Dec-2000, LatestRevisionDate=17-Dec-2003, LatestRevisionNote="Schematic revised, PCB Footprint replaced.", PackageDescription="Switch; 4 Leads", PackageReference=TL36WW15050, Partnumber=SSAJ120100, Published=24-Mar-1999, Publisher="Altium Limited"
T1: library part "MID-D11, 070-5627", "Dual Coil - Common Mode Choke, 4-Terminal, THT, MID-D11, Bobbin-070-5627", Partnumber=SRF4532-101Y
U1 U3: library part CMP-0136-00791-1, "Low Quiescent Current LDO, 3-Pin SOT-23, Extended Temperature, Tape and Reel", Code_IPC=SOT23-3, DatasheetVersion="revB, Feb-2007", PackageDescription="3-Lead Plastic Small Outline Transistor (TT) [SOT-23]", PackageReference=SOT-23-TT3, PackageVersion="revBB, Aug-2009", Partnumber=MCP1700T-3302E/TT
U2: library part STM32F405RGT6, "ARM Cortex-M4 32-bit MCU+FPU, 210 DMIPS, 1024 kB Flash, 192 kB Internal RAM, 51 I/Os, 64-pin LQFP, -40 to 85 degC, Tray", I/Os (High Current)=51, Manufacturer=STMicroelectronics, Operating Frequency(F) (Processor speed) (MHz)=168, Supply Voltage(Vcc) max (V)=3.6, Supply Voltage(Vcc) min (V)=1.8, ComponentLink1Description="Manufacturer URL", ComponentLink1URL=http://www.st.com/web/en/home.html, ComponentLink2Description=Datasheet, ComponentLink2URL=http://www.st.com/st-web-ui/static/active/en/resource/technical/document/datasheet/DM00037051.pdf, ComponentLink3Description="Package Specification", ComponentLink3URL=http://www.st.com/st-web-ui/static/active/en/resource/technical/document/datasheet/DM00037051.pdf, Core="ARM Cortex-M4", D/A Converter=2x12-bit, DatasheetVersion="Rev. 4", FLASH Size (Prog) (kB)=1024, Internal RAM Size (kB)=192, Mounting Technology="Surface Mount", PackageDescription="64-Pin Low Profile Quad Flat Package, 10 x 10 mm Body, 0.5 mm Pitch", PackageReference=LQFP64, PackageVersion="Rev. 4, 06/2013", Packing=Tray, Partnumber=STM32F405RGT6U
U4 U5 U6: "80-V, 1.2-A to 5-A, Half Bridge GaN Driver with Integrated Bootstrap Diode", Partnumber=LMG1205YFXT, ComponentLink1Description=datasheet, ComponentLink1URL=http://www.ti.com/lit/ds/symlink/lmg1205.pdf
U7 U8 U9: "ANALOG DEVICES Current Sense Amplifier, Bidirectional, 1, 130 レA, NSOIC", Partnumber=AD8418WBRZ
U10: "Switching Voltage Regulators SIMPLE SWITCHER_ 60V Buck Regulators", Partnumber=LMR16006YDDCT
U11: "3.3V CAN Transceiver, 5Mbps", Drivers Per Package=1, Manufacturer="Texas Instruments", Supply Voltage(s)(V)=3.3, ComponentLink1Description=Datasheet, ComponentLink1URL=http://www.ti.com/general/docs/lit/getliterature.tsp?genericPartNumber=SN65HVD233&fileType=pdf, Eco-Plan="Green (RoHS & no Sb/Br)", Mounting Technology="Surface Mount", PackageDescription="8-Pin Plastic Small Outline Integrated Circuit, 4.9 x 3.9 mm, Pitch 1.27 mm Pitch", PackageReference=D0008A, Partnumber=TCAN332GDR, SubFamily=CAN, Transient Pulse Protection(V)="-100 to 100"
U12: library part "TI TS5A23159", "1-ヘ 2-Channel SPDT Analog Switch", Partnumber=TS5A23159RSER
XT1: library part ABM3B-8.000MHZ-10-1-U-T, "Crystal 8MHz 【10ppm 10pF 200 Ohm -10∑C ~ 60∑C Surface Mount 4-SMD, No Lead (DFN, LCC)", Partnumber=ABM3B-8.000MHZ-10-1UT

## Via types
v1: diameter 0.5, hole 0.3, Top Layer to Bottom Layer, tented both sides, 499 vias
v2: diameter 0.6, hole 0.3, Top Layer to Bottom Layer, tented both sides, 138 vias

## Nets (pads, with @x,y where several pads share a name; then routed paths per layer and width w, separated by ;. In a path a pad name is that pad's centre, name@x,y a point inside that pad or via, vN(x,y) a via of type N, cw(c..) or ccw(c..) an arc to the next point about the centre after c; other vN are vias at no path point)
5V: C3.2 C12.2 C19.1 C20.1 C21.1 C45.2 J4.6 J5.1 J10.6 J11.2 L2.2 R7.2 R8.2 R9.2 R37.2 U1.3 U3.3 U4.A3 U4.C4 U5.A3 U5.C4 U6.A3 U6.C4 | length 208.6
  Top Layer w0.254: v2(11.904,33.875) 12.086,33.875 U1.3@12.598,33.363 12.598,33.898 13.125,34.425 19.241,34.425 v2(19.491,34.175) ; v1(28.3,21.619) 28.3,20.291 30.5,18.091 v1(30.5,14.8)
  Top Layer w0.4: v2(0.744,54.954) 2.144,54.954 2.19,55 U3.3@2.24,54.95 2.24,52.14 2.915,51.465 C12.2@2.915,50.6 ; v2(7.3,68.3) 16.844,68.3 18.022,67.122 19.437,67.122 19.849,66.71 19.849,66.645 22.5,63.994 22.5,62.284 22.603,62.181 23.853,62.181 v2(23.853,63.7) ; v2(7.9,31.4) 8.397,30.903 ; C3.2@9.115,29.409 9.115,30.179 8.397,30.897 8.397,30.903 ; U1.3@12.598,33.363 12.598,32.913 12.498,32.813 10.307,32.813 8.397,30.903
  Mid Layer 2 w0.4: 4.818,31.4 v2(7.9,31.4) ; v2(7.3,68.3) 6.5,67.5 5.1,67.5 0.744,63.144 v2(0.744,54.954) 0.744,46.041 1.585,45.2 2.8,45.2 4.803,43.197 4.803,25.011 14.613,15.201 v2(14.613,11.1) 14.973,11.46 v2(19.3,11.46)
  Bottom Layer w0.203: C19.1@6.139,34.701 6.189,34.701 6.76,34.13 6.76,34.126 7.65,33.236 U4.A3@8.168,33.236 ; C20.1@12.827,34.692 12.877,34.692 13.322,34.247 13.322,34.22 13.648,33.894 13.652,33.894 14.006,33.54 14.006,33.536 14.201,33.341 U5.A3@14.856,33.341 ; C21.1@19.558,34.785 19.608,34.785 19.956,34.436 19.956,34.198 21.014,33.141 U6.A3@21.587,33.141
  Bottom Layer w0.254: C19.1@6.139,34.701 6.139,32.555 7.294,31.4 v2(7.9,31.4) ; v2(11.904,33.875) 12.01,33.875 C20.1@12.827,34.692 ; v2(19.491,34.175) 19.558,34.242 C21.1@19.558,34.785 ; J5.1@26.925,21.729 26.988,21.667 28.253,21.667 v1(28.3,21.619) ; J11.2@26.986,14.275 29.975,14.275 v1(30.5,14.8)
  Bottom Layer w0.4: L2.2@2.985,7.058 3.241,6.802 3.241,2.723 4.797,1.167 8.909,1.167 11.243,3.5 13.2,3.5 14.2,4.5 16.355,4.5 16.811,4.956 16.811,6.52 R37.2@15.858,7.473 R37.2@15.769,7.473 ; 7.579,68.525 8.34,68.525 R9.2@8.565,68.75 R8.2@10.369,68.75 R7.2@12.174,68.75 ; v2(14.613,11.1) C45.2@15.16,11.1 ; C45.2@15.4,11.14 15.469,11.209 C45.2@15.5,11.209 C45.2@15.5,11.415 ; R37.2@15.753,7.473 R37.2@15.769,7.473 ; C45.2@15.769,10.734 R37.2@15.769,7.473 ; v2(19.3,11.46) 20.532,11.46 23.347,14.275 J11.2@26.986,14.275 ; v2(23.853,63.7) 26.345,63.7 30.43,59.615 30.43,54.33 28.139,52.039 J4.6@24.05,52.039
ADC_15: U2.25
AN_IN: R32.1 R33.1 U2.11 | length 33.6
  Mid Layer 1 w0.4: v2(1.1,7.7) 9.861,7.7 15.503,13.342 15.503,19.589 17.576,21.662 17.686,21.662 v2(17.725,21.7)
  Bottom Layer w0.203: U2.11@17.708,27.548 17.716,27.539 17.716,21.708 v2(17.725,21.7)
  Bottom Layer w0.4: R33.1@1.1,6.85 v2(1.1,7.7) R32.1@1.1,8.554
CAN_N: C49.1 J7.2 J9.2 T1.2 U12.6 | length 26.4
  Top Layer w0.381: C49.1@24.76,35.617 24.76,35.637 24.87,35.747 26.647,35.747 26.964,36.064 J9.2@26.964,36.46 ; v2(25.537,44.1) 25.918,44.1 25.96,44.059 J7.2@27,44.059 28.4,44.059 28.4,43.616 25.037,40.254 25.037,37.613 26.045,36.605 J9.2@27,36.605 27,36.495 J9.2@26.964,36.46 ; J9.2@26.964,36.495 J9.2@26.964,36.46
  Bottom Layer w0.254: v2(25.537,44.1) 26.15,44.713 U12.6@26.15,46.424
  Bottom Layer w0.381: v2(25.537,44.1) 25.537,43.773 28.51,40.8 30.33,40.8 30.925,40.205 T1.2@30.925,39.638
CAN_P: C48.2 J7.1 J9.1 T1.3 U12.10 | length 30.9
  Top Layer w0.381: C48.2@24.76,34.213 24.838,34.29 26.392,34.29 28.243,36.142 28.243,37.161 27.55,37.855 J9.1@27,37.855 25.621,37.855 25.621,40.012 28.995,43.386 28.995,44.905 28.591,45.309 J7.1@27,45.309 25.79,45.309 25.487,45.006 25.308,45.006 v2(25.162,44.861)
  Bottom Layer w0.254: U12.10@24.54,47.064 24.383,47.064 24.043,46.724 24.043,45.657 24.839,44.861 v2(25.162,44.861)
  Bottom Layer w0.381: v2(25.162,44.861) 24.844,44.542 24.844,43.469 T1.3@28.675,39.638
CAN_RX: U2.61 U11.4 | length 6.7
  Top Layer w0.254: v2(6.364,25.2) 6.364,26.675 U11.4@6.369,26.679
  Bottom Layer w0.254: v2(6.364,25.2) 6.364,24.7 7.161,23.904 7.817,23.904 7.961,24.048 U2.61@10.708,24.048
CAN_TRES_N: R41.2 R43.2 U12.4 | length 22.1
  Mid Layer 1 w0.254: v2(26.151,51.002) 26.7,50.454 26.7,48.322 28.532,46.49 28.532,39.997 29.925,38.604 v2(29.925,37.96)
  Bottom Layer w0.254: U12.4@26.15,47.704 26.15,49.246 26.243,49.339 26.243,50.715 26.052,50.906 26.148,51.002 v2(26.151,51.002) ; R41.2@28.271,36.418 28.271,36.833 29.397,37.96 v2(29.925,37.96)
  Bottom Layer w0.381: R43.2@26.771,36.418 R41.2@28.271,36.418
CAN_TRES_P: R40.1 R42.1 U12.2 | length 21.3
  Mid Layer 1 w0.254: v2(25.249,50.981) 26.243,49.986 26.243,48.133 28.075,46.301 28.075,39.72 29.128,38.667 v2(29.128,38.51)
  Bottom Layer w0.254: U12.2@25.15,47.704 25.136,47.718 25.136,50.775 25.249,50.887 v2(25.249,50.981) ; R40.1@26.954,37.922 27.252,38.22 28.745,38.22 29.034,38.51 v2(29.128,38.51)
  Bottom Layer w0.381: R42.1@25.5,37.922 R40.1@26.954,37.922
CAN_TX: U2.62 U11.1 | length 7.3
  Top Layer w0.254: v2(7.556,24.534) 8.022,25 9.6,25 10.179,25.579 U11.1@10.179,26.679
  Bottom Layer w0.254: v2(7.556,24.534) 7.57,24.548 U2.62@10.708,24.548
CANHL_N: D6.1 T1.1 U11.6 | length 47.3
  Top Layer w0.254: U11.6@7.639,21.229 7.639,20.377 7.872,20.144 v2(7.872,19.838)
  Mid Layer 1 w0.254: v2(7.872,19.838) 7.872,19.581 8.618,18.836 11.336,18.836 15.7,23.2 20.561,23.2 31.544,34.183 31.544,42.902 30.634,43.812 30.634,45.234 31.3,45.9 v2(31.317,45.9)
  Bottom Layer w0.254: D6.1@30.668,45.789 31.189,45.789 31.3,45.9 v2(31.317,45.9)
  Bottom Layer w0.4: D6.1@30.668,45.789 30.668,43.995 T1.1@30.925,43.738
CANHL_P: D6.2 T1.4 U11.7 | length 45.4
  Top Layer w0.254: v2(8.675,19.7) 8.741,19.766 8.741,21.062 U11.7@8.909,21.229
  Mid Layer 1 w0.254: v2(8.675,19.7) 11.554,19.7 15.511,23.657 20.371,23.657 31.087,34.373 31.087,42.713 30.177,43.623 30.177,45.423 v2(29.6,46)
  Bottom Layer w0.254: D6.2@28.768,45.789 28.768,45.827 28.941,46 v2(29.6,46)
  Bottom Layer w0.4: T1.4@28.675,43.738 28.768,43.831 D6.2@28.768,45.789
CURRENT_1: C28.1 R26.2 U2.8 | length 47.1
  Top Layer w0.254: R26.2@5.094,50.8 v2(5.094,51.69) C28.1@5.094,52.579
  Mid Layer 1 w0.254: v2(5.094,51.69) 7.541,49.242 21.281,49.242 23.1,47.424 23.1,44.72 24.483,43.337 24.483,36.199 20.614,32.33 17.73,32.33 v2(16.9,31.5)
  Bottom Layer w0.203: U2.8@16.208,27.548 16.195,27.56 16.195,30.795 v2(16.9,31.5)
CURRENT_2: C29.1 R27.2 U2.9 | length 41.8
  Top Layer w0.254: R27.2@10.79,50.815 v2(10.79,51.705) C29.1@10.79,52.594
  Mid Layer 1 w0.254: v2(10.79,51.705) 12.795,49.699 21.471,49.699 23.494,47.676 23.494,44.827 24.94,43.381 24.94,36.01 20.803,31.873 18.173,31.873 v2(16.8,30.5)
  Bottom Layer w0.203: U2.9@16.708,27.548 16.754,27.593 16.754,30.453 v2(16.8,30.5)
CURRENT_3: C30.1 R28.2 U2.10 | length 36.6
  Top Layer w0.254: R28.2@16.446,50.815 v2(16.446,51.705) C30.1@16.446,52.594
  Mid Layer 1 w0.254: v2(16.446,51.705) 17.994,50.156 21.66,50.156 23.914,47.902 23.914,44.907 25.397,43.425 25.397,35.82 20.977,31.4 18.64,31.4 v2(17.64,30.4)
  Bottom Layer w0.203: U2.10@17.208,27.548 17.208,29.968 v2(17.64,30.4)
EN_GATE: R34.2 U2.57 U10.4 | length 30.4
  Mid Layer 2 w0.203: v2(8.644,2.347) 11.548,5.252 11.548,13.603 v2(10.35,14.801)
  Bottom Layer w0.203: v2(10.35,14.801) 10.244,14.801 5.995,19.05 5.995,19.798 7.817,21.619 9.074,21.619 9.503,22.048 U2.57@10.708,22.048
  Bottom Layer w0.4: R34.2@6.864,2.07 6.864,2.252 7.801,3.19 ; U10.4@7.801,4.204 7.801,3.19 ; v2(8.644,2.347) 7.801,3.19
FB: R37.1 R38.1 U10.3 | length 6.2
  Bottom Layer w0.4: U10.3@10.311,4.204 12.804,4.204 13.434,4.834 13.434,5.382 13.455,5.403 R38.1@13.659,5.403 ; R38.1@13.659,5.657 13.667,5.665 15.705,5.665 R37.1@15.713,5.673
GND: C1.1 C2.2 C3.1 C4.1 C5.2 C6.2 C7.2 C8.1 C9.1 C10.1 C11.1 C12.1 C13.1 C14.2 C15.1 C16.2 C17.1 C18.2 C19.2 C20.2 C21.2 C25.1 C26.1 C27.1 C28.2 C29.2 C30.2 C31.2 C33.2 C34.2 C35.2 C36.2 C37.1 C38.1 C39.2 C40.2 C41.2 C42.2 C43.2 C44.2 C45.1 C46.2 C47.1 C48.1 C49.2 C50.2 C51.2 C52.2 C53.2 C54.2 C65.1 D1.2 D3.2 D4.2 D5.2 D6.3 GND1.1 J1.3 J3.2 J4.1 J5.6 J6.A1 J6.A12 J6.B1 J6.B12 J6.Shell J8.2 J10.1 J11.1 Q2.1 Q2.2 Q2.3 Q4.1 Q4.2 Q4.3 Q6.1 Q6.2 Q6.3 R3.2 R6.1 R15.2 R17.2 R19.2 R33.2 R35.2 R38.2 S1.2 U1.1 U2.12 U2.18 U2.63 U3.1 U4.A2 U5.A2 U6.A2 U7.2 U7.3 U8.2 U8.3 U9.2 U9.3 U10.2 U11.2 U12.3 XT1.G | length 74.7
  Top Layer w0.203: C4.1@19.667,17.9 C11.1@19.667,19.704 ; D5.2@29.104,1.975 D3.2@29.104,3.779 D1.2@29.104,5.583 29.892,6.372 30.819,6.372 31.308,6.862 31.308,7.925 30.904,8.329 v2(30.904,8.375)
  Top Layer w0.254: C12.1@1.565,50.6 2.135,50.03 2.135,49.64 v1@2.9,48.875 ; v2(4.2,54.1) 5.054,54.1 5.094,54.06 C28.2@5.094,53.929 ; C25.1@7.053,55.759 7.428,56.134 8.628,56.134 8.882,56.388 v2(9.372,56.388) ; U7.3@7.373,53.783 7.373,53.142 v2(7.683,52.832) ; U7.2@8.018,53.778 U7.2@8.023,53.783 ; v2(9.842,54.102) 10.632,54.102 C29.2@10.79,53.944 ; C1.1@11.608,19.175 C1.1@11.908,19.175 13.699,19.175 14.022,19.498 15.431,19.498 XT1.G@15.554,19.621 ; U8.3@13.019,53.798 13.019,53.178 v2(13.365,52.832) ; C65.1@13.683,25.8 13.683,23.925 C5.2@13.708,23.9 13.758,23.85 R6.1@13.758,21.1 14.074,21.1 XT1.G@15.554,19.621 ; v2(15.516,53.863) 16.365,53.863 C30.2@16.446,53.944 ; C16.2@16.133,17.666 15.96,17.839 15.96,19.214 XT1.G@15.554,19.621 ; C14.2@17.279,25.6 17.279,23.929 XT1.G@17.787,23.421 ; v2(18.948,52.959) 19.375,53.387 U9.2@19.375,53.798 ; C2.2@19.708,23.375 19.758,23.375 20.417,24.034 20.417,24.683 v2(20.4,24.7) 20.4,25.517 C7.2@20.483,25.6 20.5,25.617 20.5,26.796 R35.2@21.304,27.6 ; v2(27.025,17.575) J1.3@27.025,17.946
  Top Layer w0.4: C42.2@4.167,16.002 5.44,17.275 C18.2@6.427,17.275 ; C3.1@10.465,29.409 11.291,29.409 v2(11.4,29.3) 11.509,29.409 C9.1@12.356,29.409 ; U1.1@11.648,31.463 11.648,30.952 12.356,30.244 C9.1@12.356,29.409 ; C8.1@12.358,27.604 12.358,29.407 C9.1@12.356,29.409
  Bottom Layer w0.203: C19.2@6.139,36.051 6.189,36.051 7.217,35.023 7.217,34.315 7.896,33.636 U4.A2@8.168,33.636 ; C20.2@12.827,36.042 12.877,36.042 13.421,35.498 13.474,35.498 14.029,34.943 14.029,34.295 14.584,33.741 U5.A2@14.856,33.741 ; C21.2@19.558,36.135 19.608,36.135 20.152,35.59 20.205,35.59 20.76,35.036 20.76,34.095 21.315,33.541 U6.A2@21.587,33.541 ; v2(20.4,24.7) 20.583,24.7 20.931,25.048 U2.18@22.208,25.048 ; R3.2@30.504,7.375 30.827,7.698 30.827,8.191 30.904,8.268 v2(30.904,8.375)
  Bottom Layer w0.254: R17.2@9.364,54.244 9.506,54.102 v2(9.842,54.102) ; R15.2@14.994,53.863 v2(15.516,53.863) ; C17.1@15.782,67.325 16.407,66.7 v2(16.7,66.7) ; U12.3@25.65,47.704 25.63,47.724 25.63,49.68 25.663,49.713 v1(25.663,49.79) ; v2(28.326,47.627) 29.756,47.627 D6.3@29.718,47.589
  Bottom Layer w0.4: v2(1.1,4.093) R33.2@1.1,5.55 ; v2(3.944,4.093) 3.974,4.124 C38.1@4.296,4.124 ; v2(11.4,29.3) 11.402,29.302 C13.1@13.925,29.302
  other v1: 6.744,36.96 7.244,36.96 8.744,36.96 9.244,36.96 9.744,36.96 10.244,36.96 12.244,36.96 12.744,36.96 13.244,36.96 16.744,36.96 18.744,36.96 22.244,36.96 22.744,36.96 23.244,36.96 6.244,37.46 6.744,37.46 7.244,37.46 8.744,37.46 9.244,37.46 9.744,37.46 10.244,37.46 12.244,37.46 12.744,37.46 13.244,37.46 15.744,37.46 16.244,37.46 16.744,37.46 18.744,37.46 19.244,37.46 19.744,37.46 22.244,37.46 22.744,37.46 23.244,37.46 6.244,37.96 6.744,37.96 7.244,37.96 8.744,37.96 9.244,37.96 9.744,37.96 10.244,37.96 11.744,37.96 12.244,37.96 12.744,37.96 13.244,37.96 15.244,37.96 15.744,37.96 16.244,37.96 16.744,37.96 18.244,37.96 18.744,37.96 19.244,37.96 19.744,37.96 22.244,37.96 22.744,37.96 23.244,37.96 6.244,38.46 6.744,38.46 7.244,38.46 8.744,38.46 9.244,38.46 9.744,38.46 10.244,38.46 11.744,38.46 12.244,38.46 12.744,38.46 13.244,38.46 15.244,38.46 15.744,38.46 16.244,38.46 16.744,38.46 18.244,38.46 18.744,38.46 19.244,38.46 19.744,38.46 22.244,38.46 22.744,38.46 23.244,38.46 6.244,38.96 6.744,38.96 7.244,38.96 8.744,38.96 9.244,38.96 9.744,38.96 10.244,38.96 11.744,38.96 12.244,38.96 12.744,38.96 13.244,38.96 15.244,38.96 15.744,38.96 16.244,38.96 16.744,38.96 18.244,38.96 18.744,38.96 19.244,38.96 19.744,38.96 22.244,38.96 22.744,38.96 23.244,38.96 2.894,47.26 2.894,47.81 2.894,48.36 2.894,48.91 2.894,49.46 2.894,58.81 2.894,59.36 2.894,59.91 2.894,60.46 2.894,61.01 2.894,61.56 2.894,62.11 2.894,62.66 3.994,63.76 4.544,63.76 5.094,63.76 5.644,63.76 6.194,63.76 6.744,63.76 7.294,63.76 7.844,63.76 8.394,63.76 8.944,63.76 9.494,63.76 10.044,63.76 10.594,63.76 11.144,63.76 11.694,63.76 12.244,63.76 12.794,63.76 13.344,63.76 13.894,63.76 14.444,63.76 14.994,63.76 15.544,63.76 16.094,63.76 16.644,63.76 17.194,63.76 17.744,63.76 18.294,63.76 18.844,63.76 0.694,64.31 4.544,64.31 5.094,64.31 5.644,64.31 6.194,64.31 6.744,64.31 7.294,64.31 7.844,64.31 8.394,64.31 8.944,64.31 9.494,64.31 10.044,64.31 10.594,64.31 0.694,64.86 1.244,64.86 5.094,64.86 5.644,64.86 6.194,64.86 6.744,64.86 7.294,64.86 7.844,64.86 8.394,64.86 8.944,64.86 9.494,64.86 10.044,64.86 0.694,65.41 1.244,65.41 1.794,65.41 5.644,65.41 6.194,65.41 6.744,65.41 7.294,65.41 7.844,65.41 8.394,65.41 8.944,65.41 9.494,65.41
  other v2: 9.372,55.661